# Altium PCB pinban2.PcbDoc (part 4 of 5)
Units mm, origin at the board's own origin, x right, y up, seen from the top; angles counter-clockwise.
Board outline 144.36 x 103.75 mm, 2 copper layers (Top Layer, Bottom Layer); 186 components, 0 nets, 548 pads, 74 vias.
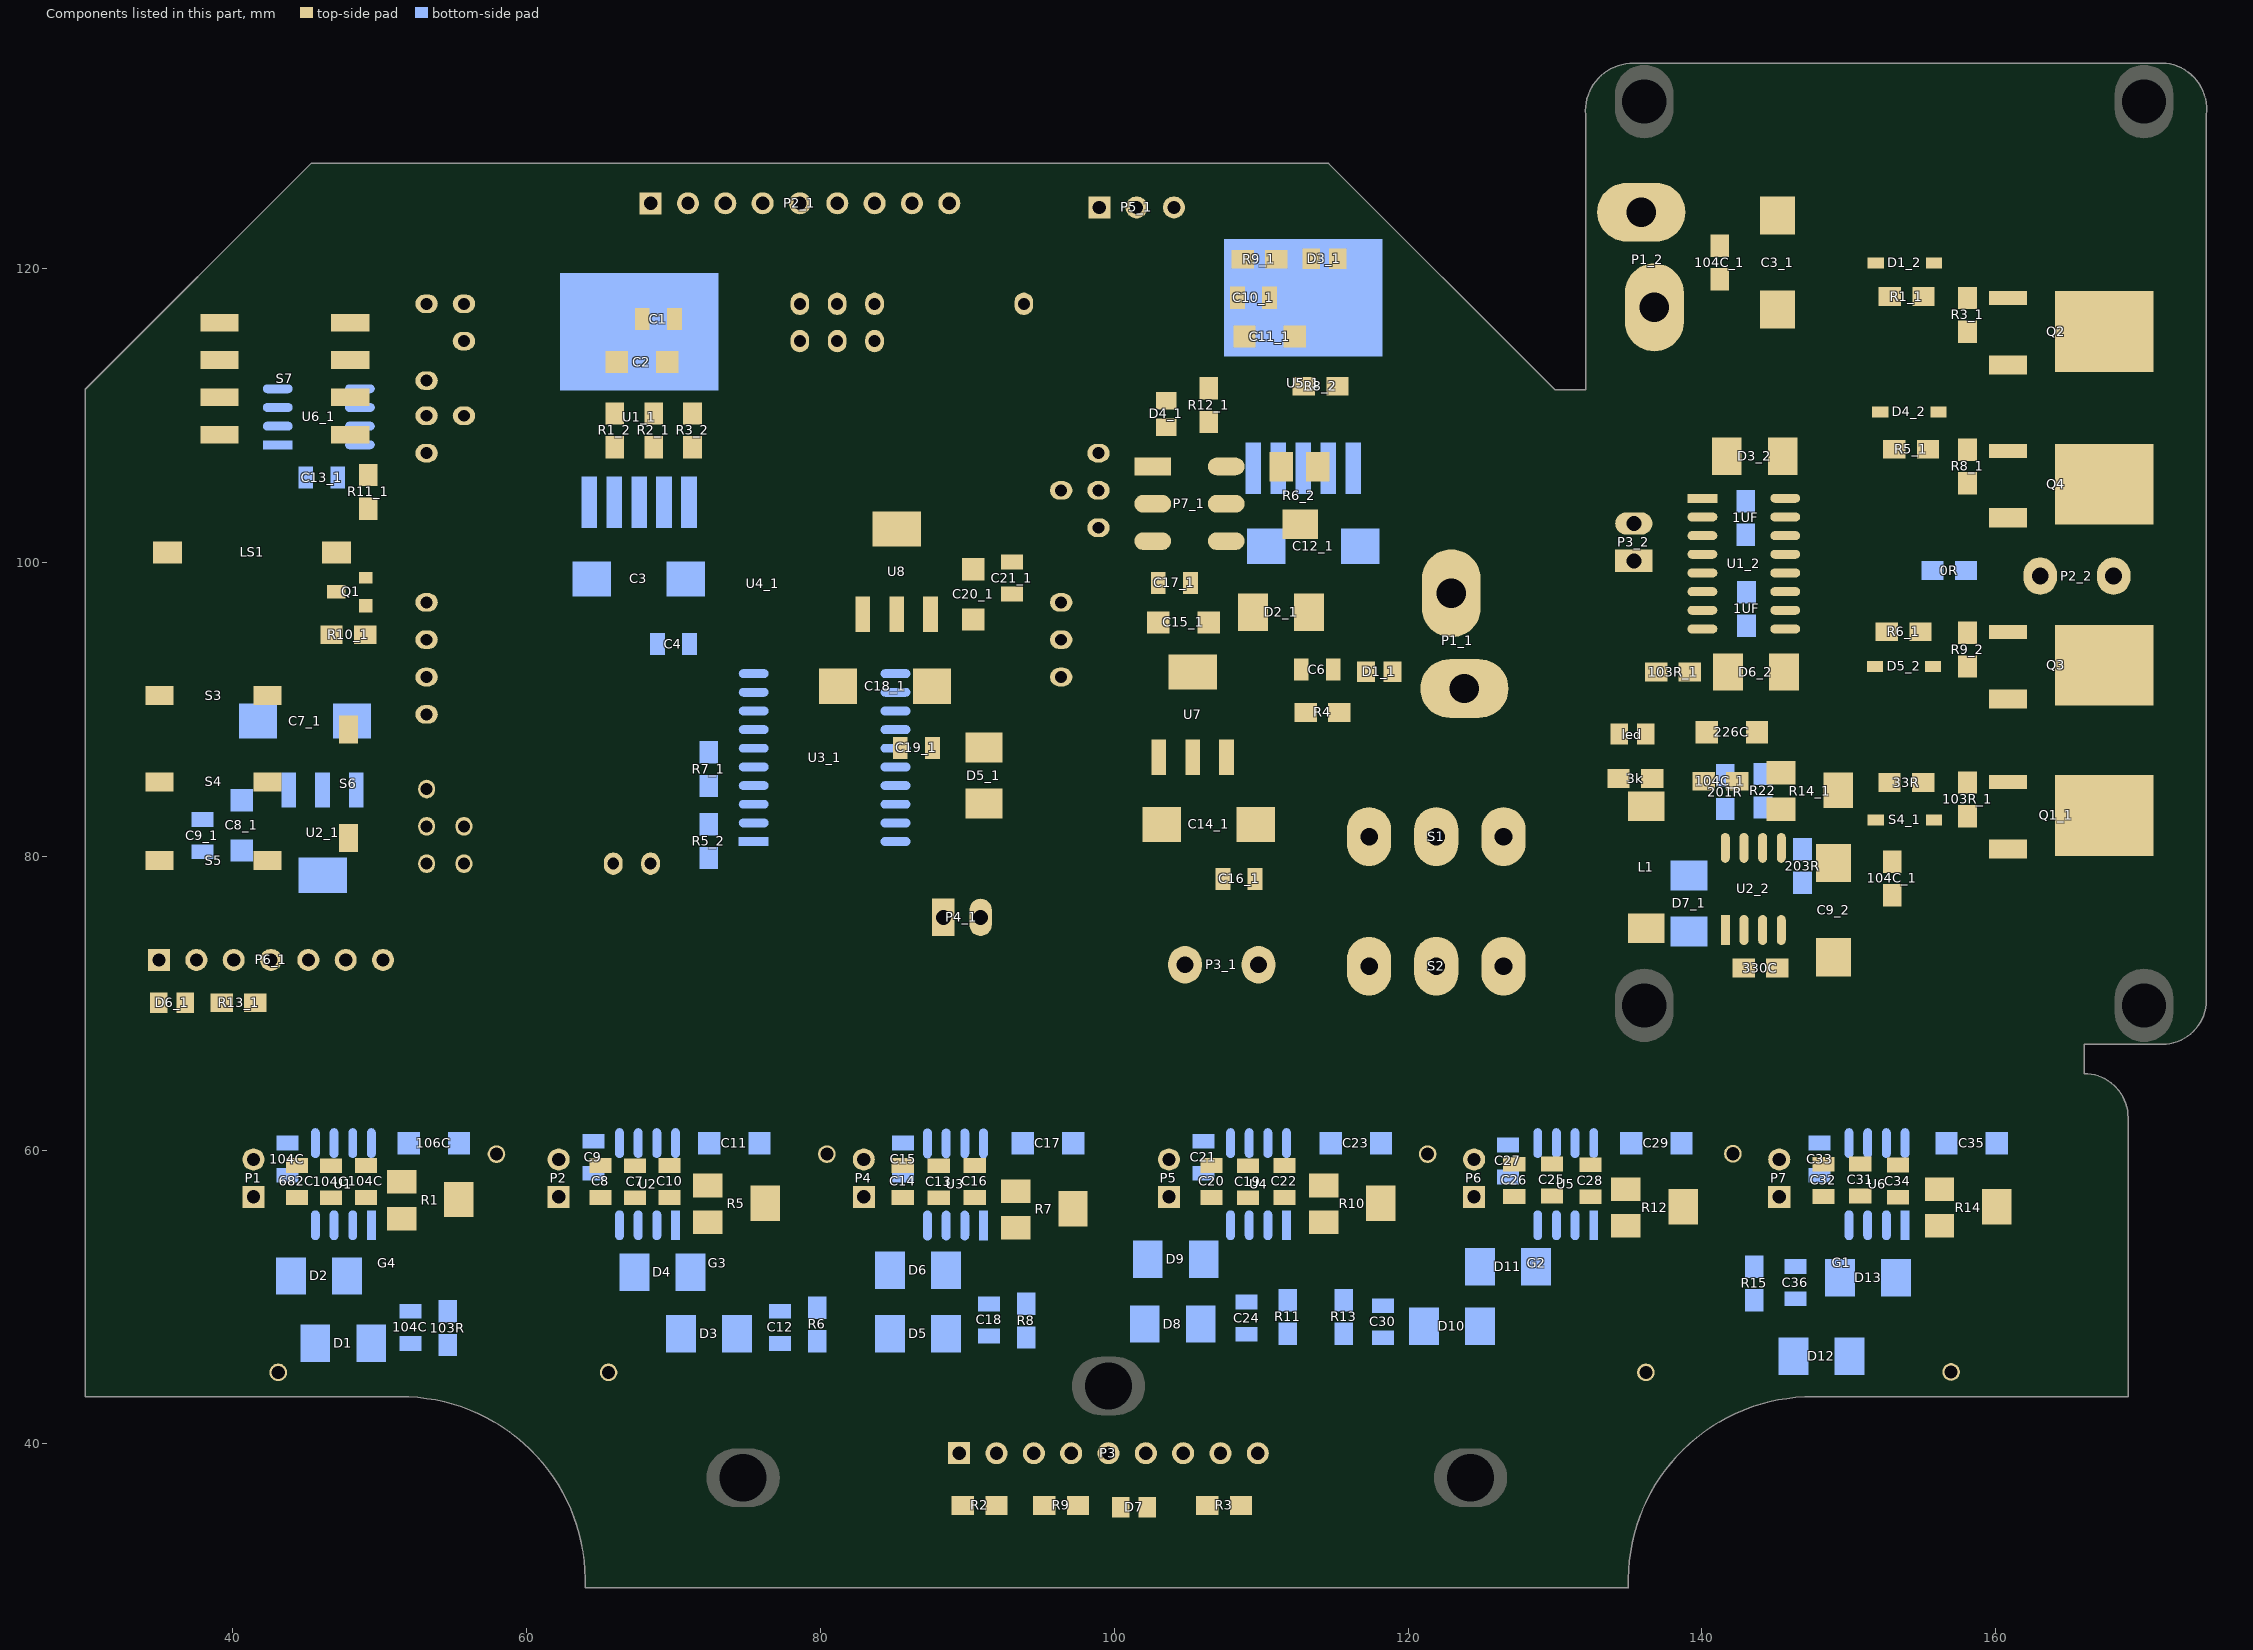
[diagram p4: the components of this part, seen from the top]

## Via types
v1: diameter 0.508, hole 0.381, Top Layer to Bottom Layer, 70 vias
v2: diameter 0.762, hole 0.508, Top Layer to Bottom Layer, 4 vias

## Nets (pads, with @x,y where several pads share a name; then routed paths per layer and width w, separated by ;. In a path a pad name is that pad's centre, name@x,y a point inside that pad or via, vN(x,y) a via of type N, cw(c..) or ccw(c..) an arc to the next point about the centre after c; other vN are vias at no path point) (continued)
copper on no net: (continued)
  Top Layer w0.025: 160.637,129.899 161.678,129.899 ; 160.637,129.925 161.754,129.925 ; 160.637,129.95 161.805,129.95 ; 160.637,129.975 161.856,129.975 ; 160.637,130.001 161.881,130.001 ; 160.637,130.026 161.957,130.026 ; 160.637,130.052 162.008,130.052 ; 160.637,130.077 162.059,130.077 ; 160.637,130.102 162.084,130.102 ; 160.637,130.128 162.161,130.128 ; 160.637,130.153 162.186,130.153 ; 160.637,130.179 162.262,130.179 ; 160.637,130.204 162.288,130.204 ; 160.637,130.229 162.364,130.229 ; 160.637,130.255 162.389,130.255 ; 160.637,130.28 162.465,130.28 ; 160.637,130.306 162.516,130.306 ; 160.637,130.331 162.542,130.331 ; 160.637,131.22 160.687,131.22 ; 160.637,131.245 160.687,131.245 ; 160.637,131.271 160.687,131.271 ; 160.637,131.296 160.687,131.296 ; 160.637,132.388 160.865,132.388 ; 160.662,127.613 160.916,127.613 ; 160.662,128.401 160.764,128.401 ; 160.662,128.553 160.687,128.553 ; 160.662,129.544 161.018,129.544 ; 160.662,129.569 161.068,129.569 ; 160.662,129.594 161.094,129.594 ; 160.662,129.62 161.145,129.62 ; 160.662,129.645 161.221,129.645 ; 160.662,129.671 161.272,129.671 ; 160.662,129.696 161.297,129.696 ; 160.662,130.356 162.44,130.356 ; 160.662,130.382 162.389,130.382 ; 160.662,130.407 162.338,130.407 ; 160.662,130.433 162.288,130.433 ; 160.662,130.458 161.043,130.458 ; 160.662,132.414 160.916,132.414 ; 160.687,127.588 160.941,127.588 ; 160.687,128.223 160.814,128.223 ; 160.687,129.442 162.923,129.442 ; 160.687,129.467 162.872,129.467 ; 160.687,129.493 162.846,129.493 ; 160.687,129.518 162.796,129.518 ; 160.687,130.483 161.119,130.483 ; 160.687,130.509 161.17,130.509 ; 160.687,130.534 161.195,130.534 ; 160.687,130.56 161.246,130.56 ; 160.687,130.585 161.297,130.585 ; 160.687,132.439 160.941,132.439 ; 160.713,128.197 160.738,128.197 ; 160.713,128.426 160.789,128.426 ; 160.713,129.391 163.024,129.391 ; 160.713,129.417 162.973,129.417 ; 160.713,130.61 161.348,130.61 ; 160.713,130.636 161.399,130.636 ; 160.738,127.562 160.992,127.562 ; 160.738,129.315 163.1,129.315 ; 160.738,129.34 163.075,129.34 ; 160.738,129.366 163.024,129.366 ; 160.738,130.661 161.449,130.661 ; 160.738,130.687 161.5,130.687 ; 160.738,130.712 161.551,130.712 ; 160.738,130.737 161.576,130.737 ; 160.738,132.465 160.992,132.465 ; 160.764,127.537 161.018,127.537 ; 160.764,128.197 160.84,128.197 ; 160.764,129.239 163.177,129.239 ; 160.764,129.264 163.151,129.264 ; 160.764,129.29 163.151,129.29 ; 160.764,130.763 161.653,130.763 ; 160.764,130.788 161.703,130.788 ; 160.764,132.49 161.018,132.49 ; 160.789,127.512 161.043,127.512 ; 160.789,128.248 160.865,128.248 ; 160.789,129.188 163.253,129.188 ; 160.789,129.213 163.227,129.213 ; 160.789,130.814 161.754,130.814 ; 160.789,130.839 161.78,130.839 ; 160.789,132.515 161.043,132.515 ; 160.814,127.486 161.094,127.486 ; 160.814,128.096 160.865,128.096 ; 160.814,128.121 160.865,128.121 ; 160.814,128.147 160.891,128.147 ; 160.814,128.172 160.891,128.172 ; 160.814,128.274 160.941,128.274 ; 160.814,129.137 163.278,129.137 ; 160.814,129.163 163.253,129.163 ; 160.814,130.864 161.856,130.864 ; 160.814,130.89 161.881,130.89 ; 160.814,132.541 161.094,132.541 ; 160.84,129.061 163.354,129.061 ; 160.84,129.086 163.329,129.086 ; 160.84,129.112 163.304,129.112 ; 160.84,130.915 161.957,130.915 ; 160.84,130.941 161.983,130.941 ; 160.84,130.966 162.034,130.966 ; 160.865,127.461 161.145,127.461 ; 160.865,128.197 160.916,128.197 ; 160.865,128.223 160.916,128.223 ; 160.865,128.299 160.916,128.299 ; 160.865,128.959 160.891,128.959 ; 160.865,129.036 163.354,129.036 ; 160.865,130.991 162.084,130.991 ; 160.865,131.017 162.161,131.017 ; 160.865,132.566 161.145,132.566 ; 160.865,132.592 161.145,132.592 ; 160.891,128.248 160.941,128.248 ; 160.891,128.934 163.456,128.934 ; 160.891,129.01 163.38,129.01 ; 160.891,131.042 162.186,131.042 ; 160.916,127.41 161.221,127.41 ; 160.916,127.435 161.17,127.435 ; 160.916,127.994 160.967,127.994 ; 160.916,128.959 163.431,128.959 ; 160.916,128.985 163.431,128.985 ; 160.916,131.068 162.237,131.068 ; 160.916,131.093 162.288,131.093 ; 160.916,132.033 161.068,132.033 ; 160.916,132.058 160.941,132.058 ; 160.916,132.109 160.941,132.109 ; 160.916,132.617 161.221,132.617 ; 160.941,128.02 160.992,128.02 ; 160.941,128.045 161.018,128.045 ; 160.941,128.909 163.456,128.909 ; 160.941,131.118 162.364,131.118 ; 160.941,131.144 162.389,131.144 ; 160.941,131.982 161.246,131.982 ; 160.941,132.007 160.992,132.007 ; 160.941,132.134 161.043,132.134 ; 160.941,132.16 161.043,132.16 ; 160.967,127.385 161.246,127.385 ; 160.967,128.07 161.094,128.07 ; 160.967,128.858 163.481,128.858 ; 160.967,128.883 163.481,128.883 ; 160.967,131.169 162.44,131.169 ; 160.967,131.957 161.145,131.957 ; 160.967,132.058 161.068,132.058 ; 160.967,132.642 161.246,132.642 ; 160.992,128.832 163.507,128.832 ; 160.992,131.195 162.491,131.195 ; 160.992,131.931 161.145,131.931 ; 160.992,132.084 161.068,132.084 ; 160.992,132.109 161.043,132.109 ; 161.018,127.359 161.322,127.359 ; 161.018,127.918 161.119,127.918 ; 161.018,127.943 161.119,127.943 ; 161.018,128.096 161.119,128.096 ; 161.018,128.121 161.119,128.121 ; 161.018,128.782 163.558,128.782 ; 161.018,128.807 163.532,128.807 ; 161.018,131.22 162.567,131.22 ; 161.018,131.245 162.567,131.245 ; 161.018,132.668 161.322,132.668 ; 161.043,127.334 161.373,127.334 ; 161.043,127.893 161.094,127.893 ; 161.043,127.969 161.068,127.969 ; 161.043,127.994 161.068,127.994 ; 161.043,128.02 161.094,128.02 ; 161.043,128.045 161.094,128.045 ; 161.043,128.147 161.068,128.147 ; 161.043,128.756 163.558,128.756 ; 161.043,131.271 162.643,131.271 ; 161.043,131.322 161.068,131.322 ; 161.043,131.83 161.221,131.83 ; 161.043,131.855 161.145,131.855 ; 161.043,131.88 161.094,131.88 ; 161.043,131.906 161.119,131.906 ; 161.043,132.007 161.094,132.007 ; 161.043,132.693 161.348,132.693 ; 161.068,127.308 161.399,127.308 ; 161.068,128.705 163.583,128.705 ; 161.068,128.731 163.583,128.731 ; 161.068,129.544 162.745,129.544 ; 161.068,130.458 162.237,130.458 ; 161.068,131.296 162.694,131.296 ; 161.068,131.804 161.17,131.804 ; 161.068,132.719 161.399,132.719 ; 161.094,127.969 161.145,127.969 ; 161.094,131.322 162.745,131.322 ; 161.094,131.347 162.77,131.347 ; 161.119,127.283 161.449,127.283 ; 161.119,127.994 161.17,127.994 ; 161.119,128.655 163.608,128.655 ; 161.119,128.68 163.608,128.68 ; 161.119,131.372 162.846,131.372 ; 161.119,131.88 161.246,131.88 ; 161.119,132.744 161.449,132.744 ; 161.145,128.02 161.221,128.02 ; 161.145,128.045 161.221,128.045 ; 161.145,128.629 163.634,128.629 ; 161.145,129.569 162.669,129.569 ; 161.145,131.398 162.897,131.398 ; 161.145,131.906 161.246,131.906 ; 161.17,127.258 161.526,127.258 ; 161.17,128.604 163.634,128.604 ; 161.17,130.483 162.161,130.483 ; 161.17,131.423 163.786,131.423 ; 161.17,131.449 163.812,131.449 ; 161.17,131.855 161.221,131.855 ; 161.17,131.931 161.246,131.931 ; 161.17,131.957 161.246,131.957 ; 161.17,132.007 161.246,132.007 ; 161.17,132.769 161.526,132.769 ; 161.195,127.791 161.246,127.791 ; 161.195,127.816 161.246,127.816 ; 161.195,127.842 161.246,127.842 ; 161.195,127.867 161.246,127.867 ; 161.195,128.578 163.659,128.578 ; 161.195,132.795 161.551,132.795 ; 161.221,127.232 161.576,127.232 ; 161.221,127.766 161.272,127.766 ; 161.221,127.893 161.272,127.893 ; 161.221,128.553 163.659,128.553 ; 161.221,129.594 162.643,129.594 ; 161.221,131.474 163.888,131.474 ; 161.221,131.499 164.269,131.499 ; 161.246,127.207 161.627,127.207 ; 161.246,127.918 161.373,127.918 ; 161.246,127.943 161.373,127.943 ; 161.246,128.502 162.364,128.502 ; 161.246,128.528 162.338,128.528 ; 161.246,132.82 161.627,132.82 ; 161.272,127.74 161.348,127.74 ; 161.272,128.451 161.297,128.451 ; 161.272,131.525 164.243,131.525 ; 161.272,131.55 164.218,131.55 ; 161.297,127.181 161.678,127.181 ; 161.297,127.715 161.348,127.715 ; 161.297,127.816 161.348,127.816 ; 161.297,128.477 162.364,128.477 ; 161.322,127.766 161.373,127.766 ; 161.322,127.791 161.373,127.791 ; 161.322,128.451 162.364,128.451 ; 161.322,130.509 162.059,130.509 ; 161.322,131.576 164.193,131.576 ; 161.322,132.846 161.678,132.846 ; 161.348,128.426 162.364,128.426 ; 161.348,129.62 162.542,129.62 ; 161.348,131.601 164.167,131.601 ; 161.373,127.156 161.754,127.156 ; 161.373,127.867 161.424,127.867 ; 161.373,127.893 161.424,127.893 ; 161.373,128.401 162.364,128.401 ; 161.373,131.626 164.142,131.626 ; 161.373,132.871 161.78,132.871 ; 161.399,127.842 161.424,127.842 ; 161.399,130.534 161.983,130.534 ; 161.399,131.652 164.091,131.652 ; 161.399,132.896 161.83,132.896 ; 161.424,127.131 161.856,127.131 ; 161.424,128.35 162.364,128.35 ; 161.424,128.375 162.364,128.375 ; 161.424,131.677 164.066,131.677 ; 161.449,127.105 161.907,127.105 ; 161.449,131.703 164.04,131.703 ; 161.449,132.922 161.907,132.922 ; 161.475,128.324 162.364,128.324 ; 161.475,129.645 162.44,129.645 ; 161.5,131.728 163.989,131.728 ; 161.526,127.08 162.008,127.08 ; 161.526,128.299 162.338,128.299 ; 161.526,131.753 163.989,131.753 ; 161.526,132.947 162.034,132.947 ; 161.551,128.248 163.939,128.248 ; 161.551,128.274 163.964,128.274 ; 161.576,127.054 162.135,127.054 ; 161.576,127.562 161.627,127.562 ; 161.576,127.588 161.627,127.588 ; 161.576,127.613 161.653,127.613 ; 161.576,131.779 163.939,131.779 ; 161.602,127.639 161.78,127.639 ; 161.602,132.973 162.135,132.973 ; 161.627,127.664 161.678,127.664 ; 161.627,127.689 161.678,127.689 ; 161.627,127.715 161.678,127.715 ; 161.627,128.223 163.888,128.223 ; 161.627,131.804 163.888,131.804 ; 161.627,132.998 162.237,132.998 ; 161.653,127.74 161.678,127.74 ; 161.653,127.766 161.678,127.766 ; 161.653,128.197 163.837,128.197 ; 161.653,131.83 163.837,131.83 ; 161.678,127.029 162.288,127.029 ; 161.678,127.512 161.754,127.512 ; 161.678,127.537 161.754,127.537 ; 161.678,127.613 161.78,127.613 ; 161.678,129.671 162.288,129.671 ; 161.678,131.855 163.812,131.855 ; 161.703,127.004 162.415,127.004 ; 161.703,127.562 161.754,127.562 ; 161.703,128.172 163.786,128.172 ; 161.729,127.588 161.78,127.588 ; 161.729,128.147 163.761,128.147 ; 161.729,131.88 163.761,131.88 ; 161.729,133.023 162.415,133.023 ; 161.754,127.664 161.805,127.664 ; 161.78,127.689 161.83,127.689 ; 161.78,128.121 163.71,128.121 ; 161.78,131.906 163.71,131.906 ; 161.805,126.978 163.71,126.978 ; 161.805,133.049 163.71,133.049 ; 161.83,127.461 161.881,127.461 ; 161.83,129.696 162.161,129.696 ; 161.856,127.486 162.034,127.486 ; 161.856,127.512 161.932,127.512 ; 161.856,128.096 163.659,128.096 ; 161.856,131.931 163.659,131.931 ; 161.856,132.312 161.907,132.312 ; 161.856,132.338 161.932,132.338 ; 161.881,126.953 163.608,126.953 ; 161.881,127.537 161.932,127.537 ; 161.881,131.957 163.634,131.957 ; 161.881,132.363 162.11,132.363 ; 161.881,133.074 163.608,133.074 ; 161.907,127.562 161.957,127.562 ; 161.907,128.07 163.583,128.07 ; 161.932,127.588 162.034,127.588 ; 161.932,132.388 162.084,132.388 ; 161.932,132.414 162.084,132.414 ; 161.932,132.465 162.084,132.465 ; 161.932,132.49 161.983,132.49 ; 161.932,132.515 162.237,132.515 ; 161.932,132.541 162.059,132.541 ; 161.932,132.566 162.059,132.566 ; 161.932,132.592 162.059,132.592 ; 161.932,132.668 162.034,132.668 ; 161.932,132.693 162.034,132.693 ; 161.957,127.461 162.034,127.461 ; 161.957,127.613 162.034,127.613 ; 161.957,127.639 162.008,127.639 ; 161.957,131.982 163.558,131.982 ; 161.957,132.338 162.034,132.338 ; 161.957,132.439 162.059,132.439 ; 161.957,132.617 162.008,132.617 ; 161.957,132.642 162.034,132.642 ; 161.957,133.1 163.558,133.1 ; 161.983,127.41 162.034,127.41 ; 161.983,127.435 162.034,127.435 ; 161.983,127.512 162.034,127.512 ; 161.983,127.537 162.034,127.537 ; 161.983,127.562 162.034,127.562 ; 161.983,128.045 163.532,128.045 ; 161.983,132.287 162.034,132.287 ; 161.983,132.312 162.135,132.312 ; 162.008,126.927 163.507,126.927 ; 162.008,132.49 162.084,132.49 ; 162.034,128.02 163.456,128.02 ; 162.034,132.007 163.481,132.007 ; 162.059,132.287 162.135,132.287 ; 162.059,132.338 162.11,132.338 ; 162.084,126.902 163.431,126.902 ; 162.084,132.541 162.237,132.541 ; 162.084,132.668 162.211,132.668 ; 162.084,132.693 162.211,132.693 ; 162.084,133.125 163.431,133.125 ; 162.11,127.994 163.405,127.994 ; 162.11,132.033 163.38,132.033 ; 162.135,127.385 162.161,127.385 ; 162.135,127.41 162.161,127.41 ; 162.135,127.435 162.186,127.435 ; 162.135,127.461 162.186,127.461 ; 162.135,127.486 162.186,127.486 ; 162.135,132.414 162.186,132.414 ; 162.135,132.439 162.262,132.439 ; 162.135,132.566 162.237,132.566 ; 162.161,127.512 162.186,127.512 ; 162.161,127.537 162.237,127.537 ; 162.161,127.562 162.237,127.562 ; 162.161,132.058 163.354,132.058 ; 162.161,132.465 162.237,132.465 ; 162.161,132.49 162.237,132.49 ; 162.161,132.592 162.237,132.592 ; 162.161,132.719 162.186,132.719 ; 162.186,132.617 162.262,132.617 ; 162.211,127.486 162.262,127.486 ; 162.211,127.512 162.262,127.512 ; 162.211,127.969 163.304,127.969 ; 162.237,126.877 163.278,126.877 ; 162.237,127.359 162.338,127.359 ; 162.237,127.385 162.338,127.385 ; 162.237,127.41 162.262,127.41 ; 162.237,127.435 162.262,127.435 ; 162.237,127.461 162.262,127.461 ; 162.237,132.388 162.389,132.388 ; 162.237,132.414 162.262,132.414 ; 162.237,133.15 163.278,133.15 ; 162.262,132.084 163.227,132.084 ; 162.262,132.363 162.338,132.363 ; 162.288,127.41 162.338,127.41 ; 162.288,127.435 162.338,127.435 ; 162.288,127.461 162.338,127.461 ; 162.288,127.486 162.338,127.486 ; 162.313,127.512 162.364,127.512 ; 162.313,127.537 162.364,127.537 ; 162.313,127.943 163.151,127.943 ; 162.338,132.414 162.415,132.414 ; 162.338,132.439 162.389,132.439 ; 162.415,126.851 163.075,126.851 ; 162.415,127.918 163.075,127.918 ; 162.415,128.35 162.643,128.35 ; 162.415,132.109 163.075,132.109 ; 162.44,127.359 162.491,127.359 ; 162.44,127.385 162.491,127.385 ; 162.44,127.41 162.491,127.41 ; 162.44,127.435 162.465,127.435 ; 162.44,127.461 162.491,127.461 ; 162.44,127.486 162.491,127.486 ; 162.44,128.324 162.592,128.324 ; 162.44,128.375 162.643,128.375 ; 162.44,128.401 162.592,128.401 ; 162.44,128.426 162.542,128.426 ; 162.44,128.451 162.542,128.451 ; 162.44,128.477 162.542,128.477 ; 162.44,128.502 162.542,128.502 ; 162.44,128.528 162.567,128.528 ; 162.465,127.334 162.643,127.334 ; 162.465,127.512 162.618,127.512 ; 162.465,128.299 162.542,128.299 ; 162.465,133.176 163.05,133.176 ; 162.491,127.308 162.618,127.308 ; 162.491,127.537 162.592,127.537 ; 162.491,130.356 162.592,130.356 ; 162.542,127.41 162.643,127.41 ; 162.542,127.435 162.567,127.435 ; 162.542,130.382 162.669,130.382 ; 162.567,127.385 162.643,127.385 ; 162.592,127.359 162.643,127.359 ; 162.592,127.486 162.643,127.486 ; 162.592,128.299 162.796,128.299 ; 162.592,128.451 162.669,128.451 ; 162.592,128.477 162.669,128.477 ; 162.592,128.502 162.669,128.502 ; 162.592,128.528 162.643,128.528 ; 162.592,130.407 162.719,130.407 ; 162.618,130.433 162.745,130.433 ; 162.643,128.401 162.669,128.401 ; 162.643,128.426 162.669,128.426 ; 162.669,128.324 162.872,128.324 ; 162.669,130.458 162.796,130.458 ; 162.694,128.35 162.897,128.35 ; 162.694,128.375 162.897,128.375 ; 162.694,128.528 162.846,128.528 ; 162.719,128.401 162.897,128.401 ; 162.719,128.451 162.796,128.451 ; 162.719,128.502 162.821,128.502 ; 162.745,127.308 162.796,127.308 ; 162.745,127.334 162.796,127.334 ; 162.745,127.359 162.796,127.359 ; 162.745,127.385 162.872,127.385 ; 162.745,127.41 162.846,127.41 ; 162.745,127.435 162.846,127.435 ; 162.745,127.461 162.872,127.461 ; 162.745,127.486 162.796,127.486 ; 162.745,127.512 162.796,127.512 ; 162.745,128.426 162.897,128.426 ; 162.745,128.477 162.796,128.477 ; 162.745,130.483 162.872,130.483 ; 162.745,133.201 162.77,133.201 ; 162.796,130.509 162.923,130.509 ; 162.821,128.451 162.846,128.451 ; 162.821,130.534 162.948,130.534 ; 162.846,127.334 162.897,127.334 ; 162.846,127.359 162.897,127.359 ; 162.846,127.486 162.872,127.486 ; 162.846,127.512 162.897,127.512 ; 162.846,128.477 163.151,128.477 ; 162.846,128.502 162.872,128.502 ; 162.872,127.308 162.923,127.308 ; 162.872,128.299 163.075,128.299 ; 162.872,130.56 162.999,130.56 ; 162.897,128.502 163.126,128.502 ; 162.923,131.271 163.456,131.271 ; 162.923,131.296 163.532,131.296 ; 162.923,131.322 163.583,131.322 ; 162.923,131.347 163.634,131.347 ; 162.923,131.372 163.685,131.372 ; 162.923,131.398 163.735,131.398 ; 162.948,128.324 163.024,128.324 ; 162.948,128.451 163.151,128.451 ; 162.948,130.585 163.05,130.585 ; 162.948,130.61 163.126,130.61 ; 162.948,130.636 163.151,130.636 ; 162.948,130.661 163.202,130.661 ; 162.948,130.687 163.253,130.687 ; 162.948,130.712 163.126,130.712 ; 162.948,130.737 163.05,130.737 ; 162.948,130.763 163.024,130.763 ; 162.948,130.788 162.999,130.788 ; 162.948,130.814 162.999,130.814 ; 162.948,130.839 162.999,130.839 ; 162.948,130.864 162.999,130.864 ; 162.948,130.89 162.999,130.89 ; 162.948,130.915 162.999,130.915 ; 162.948,130.941 162.999,130.941 ; 162.948,130.966 162.999,130.966 ; 162.948,130.991 163.024,130.991 ; 162.948,131.017 163.024,131.017 ; 162.948,131.042 163.024,131.042 ; 162.948,131.068 163.075,131.068 ; 162.948,131.093 163.126,131.093 ; 162.948,131.118 163.177,131.118 ; 162.948,131.144 163.227,131.144 ; 162.948,131.169 163.278,131.169 ; 162.948,131.195 163.329,131.195 ; 162.948,131.22 163.38,131.22 ; 162.948,131.245 163.431,131.245 ; 162.973,128.35 163.05,128.35 ; 162.973,128.375 163.075,128.375 ; 162.973,128.401 163.126,128.401 ; 162.973,128.426 163.126,128.426 ; 162.973,128.528 163.05,128.528 ; 162.999,127.41 163.05,127.41 ; 162.999,127.435 163.05,127.435 ; 162.999,127.461 163.05,127.461 ; 163.024,127.359 163.177,127.359 ; 163.024,127.385 163.075,127.385 ; 163.024,127.486 163.05,127.486 ; 163.024,127.512 163.177,127.512 ; 163.05,127.537 163.177,127.537 ; 163.075,127.334 163.151,127.334 ; 163.075,128.324 163.126,128.324 ; 163.075,133.023 163.786,133.023 ; 163.1,127.004 163.786,127.004 ; 163.1,127.918 163.126,127.918 ; 163.1,128.299 163.151,128.299 ; 163.1,128.35 163.177,128.35 ; 163.126,128.375 164.091,128.375 ; 163.151,127.385 163.202,127.385 ; 163.151,127.41 163.227,127.41 ; 163.151,127.435 163.227,127.435 ; 163.151,127.461 163.227,127.461 ; 163.151,127.486 163.202,127.486 ; 163.151,128.401 164.167,128.401 ; 163.177,128.426 164.167,128.426 ; 163.177,128.528 163.685,128.528 ; 163.177,130.712 163.329,130.712 ; 163.202,127.029 163.837,127.029 ; 163.202,128.299 163.989,128.299 ; 163.202,128.451 164.193,128.451 ; 163.202,128.477 164.218,128.477 ; 163.202,128.502 164.243,128.502 ; 163.227,127.918 163.253,127.918 ; 163.227,128.324 164.04,128.324 ; 163.227,128.35 164.091,128.35 ; 163.227,130.737 163.354,130.737 ; 163.227,132.566 163.304,132.566 ; 163.227,132.592 163.304,132.592 ; 163.253,132.541 163.278,132.541 ; 163.253,132.617 163.329,132.617 ; 163.278,127.537 163.405,127.537 ; 163.278,127.562 163.38,127.562 ; 163.278,130.763 163.405,130.763 ; 163.278,132.312 163.481,132.312 ; 163.278,132.642 163.558,132.642 ; 163.278,132.998 163.862,132.998 ; 163.304,127.486 163.354,127.486 ; 163.304,127.512 163.431,127.512 ; 163.304,132.287 163.354,132.287 ; 163.329,127.385 163.38,127.385 ; 163.329,127.41 163.38,127.41 ; 163.329,127.435 163.354,127.435 ; 163.329,127.461 163.354,127.461 ; 163.329,127.588 163.354,127.588 ; 163.329,130.788 163.456,130.788 ; 163.329,132.338 163.431,132.338 ; 163.354,132.414 163.456,132.414 ; 163.354,132.49 163.38,132.49 ; 163.354,132.515 163.405,132.515 ; 163.354,132.541 163.405,132.541 ; 163.354,132.973 163.913,132.973 ; 163.38,127.054 163.913,127.054 ; 163.38,127.486 163.532,127.486 ; 163.38,130.814 163.532,130.814 ; 163.38,132.363 163.456,132.363 ; 163.38,132.388 163.456,132.388 ; 163.38,132.439 163.431,132.439 ; 163.38,132.566 163.405,132.566 ; 163.38,132.592 163.405,132.592 ; 163.405,132.287 163.456,132.287 ; 163.431,127.435 163.532,127.435 ; 163.431,127.461 163.456,127.461 ; 163.431,130.839 163.558,130.839 ; 163.431,132.465 163.507,132.465 ; 163.456,127.41 163.532,127.41 ; 163.456,127.512 163.507,127.512 ; 163.456,127.537 163.507,127.537 ; 163.456,127.562 163.481,127.562 ; 163.456,127.588 163.481,127.588 ; 163.456,127.613 163.481,127.613 ; 163.456,132.49 163.532,132.49 ; 163.456,132.515 163.507,132.515 ; 163.456,132.541 163.507,132.541 ; 163.456,132.617 163.507,132.617 ; 163.456,132.668 163.532,132.668 ; 163.456,132.693 163.532,132.693 ; 163.456,132.719 163.507,132.719 ; 163.481,127.08 163.989,127.08 ; 163.481,127.461 163.532,127.461 ; 163.481,130.864 163.608,130.864 ; 163.481,132.566 163.532,132.566 ; 163.481,132.592 163.659,132.592 ; 163.481,132.947 163.964,132.947 ; 163.532,130.89 163.685,130.89 ; 163.532,132.617 163.634,132.617 ; 163.583,127.105 164.04,127.105 ; 163.583,127.512 163.659,127.512 ; 163.583,127.537 163.659,127.537 ; 163.583,127.562 163.634,127.562 ; 163.583,127.588 163.634,127.588 ; 163.583,127.613 163.634,127.613 ; 163.583,127.639 163.634,127.639 ; 163.583,130.915 163.685,130.915 ; 163.583,132.566 163.659,132.566 ; 163.583,132.922 164.04,132.922 ; 163.608,127.664 163.761,127.664 ; 163.634,127.486 163.761,127.486 ; 163.634,130.407 163.685,130.407 ; 163.634,130.458 163.685,130.458 ; 163.634,130.483 163.685,130.483 ; 163.634,130.509 163.685,130.509 ; 163.634,130.534 163.685,130.534 ; 163.634,130.56 163.685,130.56 ; 163.634,130.585 163.685,130.585 ; 163.634,130.61 163.685,130.61 ; 163.634,130.636 163.685,130.636 ; 163.634,130.661 163.685,130.661 ; 163.634,130.687 163.685,130.687 ; 163.634,130.712 163.685,130.712 ; 163.634,130.737 163.685,130.737 ; 163.634,130.763 163.685,130.763 ; 163.634,130.788 163.685,130.788 ; 163.634,130.814 163.685,130.814 ; 163.634,130.839 163.685,130.839 ; 163.634,130.864 163.685,130.864 ; 163.634,130.941 163.685,130.941 ; 163.659,127.131 164.066,127.131 ; 163.659,127.689 163.735,127.689 ; 163.659,129.544 164.828,129.544 ; 163.659,129.569 164.828,129.569 ; 163.659,129.594 164.828,129.594 ; 163.659,129.62 164.853,129.62 ; 163.659,129.645 164.853,129.645 ; 163.659,129.671 164.853,129.671 ; 163.659,129.696 164.853,129.696 ; 163.659,129.721 164.853,129.721 ; 163.659,129.747 164.878,129.747 ; 163.659,129.772 164.878,129.772 ; 163.659,129.798 164.853,129.798 ; 163.659,129.823 164.878,129.823 ; 163.659,129.848 164.878,129.848 ; 163.659,129.874 164.878,129.874 ; 163.659,129.899 164.878,129.899 ; 163.659,129.925 164.878,129.925 ; 163.659,129.95 164.878,129.95 ; 163.659,129.975 164.878,129.975 ; 163.659,130.001 164.878,130.001 ; 163.659,130.026 164.878,130.026 ; 163.659,130.052 163.939,130.052 ; 163.659,130.077 163.913,130.077 ; 163.659,130.102 163.888,130.102 ; 163.659,130.128 163.888,130.128 ; 163.659,130.153 163.862,130.153 ; 163.659,130.179 163.862,130.179 ; 163.659,130.204 163.837,130.204 ; 163.659,130.229 163.812,130.229 ; 163.659,130.255 163.786,130.255 ; 163.659,130.28 163.786,130.28 ; 163.659,130.306 163.761,130.306 ; 163.659,130.331 163.761,130.331 ; 163.659,130.356 163.735,130.356 ; 163.659,130.382 163.71,130.382 ; 163.659,130.433 163.685,130.433 ; 163.685,127.588 163.786,127.588 ; 163.685,128.553 164.294,128.553 ; 163.685,128.629 164.37,128.629 ; 163.685,128.655 164.396,128.655 ; 163.685,128.68 164.396,128.68 ; 163.685,128.705 164.421,128.705 ; 163.685,128.731 164.447,128.731 ; 163.685,128.756 164.472,128.756 ; 163.685,128.782 164.472,128.782 ; 163.685,128.807 164.497,128.807 ; 163.685,128.832 164.523,128.832 ; 163.685,128.858 164.548,128.858 ; 163.685,128.883 164.548,128.883 ; 163.685,128.909 164.574,128.909 ; 163.685,128.934 164.574,128.934 ; 163.685,128.959 164.599,128.959 ; 163.685,128.985 164.599,128.985 ; 163.685,129.01 164.624,129.01 ; 163.685,129.036 164.65,129.036 ; 163.685,129.061 164.65,129.061 ; 163.685,129.086 164.675,129.086 ; 163.685,129.112 164.675,129.112 ; 163.685,129.137 164.675,129.137 ; 163.685,129.163 164.701,129.163 ; 163.685,129.188 164.701,129.188 ; 163.685,129.213 164.701,129.213 ; 163.685,129.239 164.726,129.239 ; 163.685,129.264 164.751,129.264 ; 163.685,129.29 164.751,129.29 ; 163.685,129.315 164.777,129.315 ; 163.685,129.34 164.777,129.34 ; 163.685,129.366 164.777,129.366 ; 163.685,129.391 164.777,129.391 ; 163.685,129.417 164.777,129.417 ; 163.685,129.442 164.802,129.442 ; 163.685,129.467 164.802,129.467 ; 163.685,129.493 164.802,129.493 ; 163.685,129.518 164.802,129.518 ; 163.685,132.896 164.091,132.896 ; 163.71,128.528 164.269,128.528 ; 163.71,128.578 164.294,128.578 ; 163.71,128.604 164.345,128.604 ; 163.735,127.156 164.142,127.156 ; 163.735,127.512 163.812,127.512 ; 163.735,127.613 163.761,127.613 ; 163.735,132.871 164.142,132.871 ; 163.761,127.537 163.812,127.537 ; 163.761,127.562 163.786,127.562 ; 163.812,127.181 164.193,127.181 ; 163.812,132.846 164.193,132.846 ; 163.888,127.207 164.243,127.207 ; 163.888,132.82 164.243,132.82 ; 163.913,131.271 164.472,131.271 ; 163.913,131.296 164.447,131.296 ; 163.913,131.322 164.421,131.322 ; 163.913,131.347 164.396,131.347 ; 163.913,131.372 164.396,131.372 ; 163.913,131.398 164.37,131.398 ; 163.913,131.423 164.345,131.423 ; 163.913,131.449 164.32,131.449 ; 163.913,131.474 164.294,131.474 ; 163.939,127.232 164.294,127.232 ; 163.939,130.407 164.853,130.407 ; 163.939,130.433 164.853,130.433 ; 163.939,130.458 164.828,130.458 ; 163.939,130.483 164.828,130.483 ; 163.939,130.509 164.802,130.509 ; 163.939,130.534 164.802,130.534 ; 163.939,130.56 164.802,130.56 ; 163.939,130.585 164.802,130.585 ; 163.939,130.61 164.777,130.61 ; 163.939,130.636 164.777,130.636 ; 163.939,130.661 164.777,130.661 ; 163.939,130.687 164.777,130.687 ; 163.939,130.712 164.751,130.712 ; 163.939,130.737 164.751,130.737 ; 163.939,130.763 164.751,130.763 ; 163.939,130.788 164.726,130.788 ; 163.939,130.814 164.701,130.814 ; 163.939,130.839 164.701,130.839 ; 163.939,130.864 164.701,130.864 ; 163.939,130.89 164.675,130.89 ; 163.939,130.915 164.675,130.915 ; 163.939,130.941 164.675,130.941 ; 163.939,130.966 164.65,130.966 ; 163.939,130.991 164.65,130.991 ; 163.939,131.017 164.624,131.017 ; 163.939,131.042 164.599,131.042 ; 163.939,131.068 164.599,131.068 ; 163.939,131.093 164.574,131.093 ; 163.939,131.118 164.548,131.118 ; 163.939,131.144 164.548,131.144 ; 163.939,131.169 164.548,131.169 ; 163.939,131.195 164.497,131.195 ; 163.939,131.22 164.497,131.22 ; 163.939,131.245 164.472,131.245 ; 163.964,127.816 164.015,127.816 ; 163.964,127.842 164.015,127.842 ; 163.964,130.052 164.878,130.052 ; 163.964,130.077 164.878,130.077 ; 163.964,130.102 164.878,130.102 ; 163.964,130.128 164.878,130.128 ; 163.964,130.153 164.878,130.153 ; 163.964,130.179 164.878,130.179 ; 163.964,130.204 164.878,130.204 ; 163.964,130.229 164.878,130.229 ; 163.964,130.255 164.878,130.255 ; 163.964,130.28 164.853,130.28 ; 163.964,130.306 164.853,130.306 ; 163.964,130.331 164.853,130.331 ; 163.964,130.356 164.853,130.356 ; 163.964,130.382 164.853,130.382 ; 163.964,132.795 164.294,132.795 ; 163.989,127.258 164.345,127.258 ; 163.989,127.766 164.04,127.766 ; 163.989,127.791 164.04,127.791 ; 163.989,132.769 164.345,132.769 ; 164.015,127.715 164.066,127.715 ; 164.015,127.74 164.066,127.74 ; 164.04,127.283 164.396,127.283 ; 164.04,127.689 164.167,127.689 ; 164.066,132.744 164.37,132.744 ; 164.091,127.867 164.167,127.867 ; 164.091,127.893 164.142,127.893 ; 164.116,127.308 164.421,127.308 ; 164.116,127.842 164.167,127.842 ; 164.116,132.719 164.421,132.719 ; 164.142,127.334 164.447,127.334 ; 164.142,127.791 164.193,127.791 ; 164.142,127.816 164.193,127.816 ; 164.167,127.715 164.193,127.715 ; 164.167,127.74 164.193,127.74 ; 164.167,127.766 164.193,127.766 ; 164.167,132.693 164.472,132.693 ; 164.193,127.359 164.497,127.359 ; 164.193,127.969 164.345,127.969 ; 164.193,132.668 164.497,132.668 ; 164.218,127.943 164.269,127.943 ; 164.243,127.385 164.548,127.385 ; 164.243,127.918 164.294,127.918 ; 164.243,127.994 164.269,127.994 ; 164.243,132.642 164.548,132.642 ; 164.269,127.867 164.345,127.867 ; 164.269,127.893 164.32,127.893 ; 164.294,127.41 164.574,127.41 ; 164.294,127.842 164.37,127.842 ; 164.294,127.943 164.472,127.943 ; 164.294,132.617 164.574,132.617 ; 164.32,127.435 164.599,127.435 ; 164.32,127.816 164.37,127.816 ; 164.32,128.07 164.37,128.07 ; 164.32,131.906 164.472,131.906 ; 164.345,127.918 164.472,127.918 ; 164.345,128.02 164.396,128.02 ; 164.345,128.045 164.396,128.045 ; 164.345,131.88 164.447,131.88 ; 164.345,132.033 164.396,132.033 ; 164.345,132.058 164.396,132.058 ; 164.345,132.592 164.624,132.592 ; 164.37,127.461 164.65,127.461 ; 164.37,127.994 164.447,127.994 ; 164.37,132.007 164.447,132.007 ; 164.37,132.566 164.65,132.566 ; 164.396,127.893 164.447,127.893 ; 164.396,127.969 164.447,127.969 ; 164.396,131.931 164.599,131.931 ; 164.396,131.982 164.574,131.982 ; 164.396,132.541 164.675,132.541 ; 164.421,127.486 164.675,127.486 ; 164.447,127.512 164.726,127.512 ; 164.447,128.147 164.497,128.147 ; 164.447,128.172 164.497,128.172 ; 164.447,131.728 164.497,131.728 ; 164.447,131.753 164.497,131.753 ; 164.447,131.779 164.497,131.779 ; 164.447,131.804 164.497,131.804 ; 164.447,131.83 164.472,131.83 ; 164.447,131.855 164.472,131.855 ; 164.447,131.957 164.574,131.957 ; 164.447,132.515 164.701,132.515 ; 164.472,127.537 164.751,127.537 ; 164.472,128.121 164.523,128.121 ; 164.497,128.096 164.548,128.096 ; 164.497,132.49 164.751,132.49 ; 164.523,127.562 164.777,127.562 ; 164.523,128.07 164.574,128.07 ; 164.523,131.906 164.624,131.906 ; 164.523,132.007 164.599,132.007 ; 164.523,132.465 164.777,132.465 ; 164.548,127.588 164.802,127.588 ; 164.548,128.02 164.599,128.02 ; 164.548,128.045 164.599,128.045 ; 164.548,128.248 164.599,128.248 ; 164.548,128.274 164.574,128.274 ; 164.548,131.88 164.624,131.88 ; 164.548,132.033 164.624,132.033 ; 164.548,132.439 164.802,132.439 ; 164.574,128.223 164.675,128.223 ; 164.574,132.058 164.624,132.058 ; 164.574,132.084 164.599,132.084 ; 164.599,127.613 164.853,127.613 ; 164.599,132.414 164.828,132.414 ; 164.624,127.639 164.853,127.639 ; 164.624,128.197 164.777,128.197 ; 164.624,132.388 164.878,132.388 ; 164.65,127.664 164.904,127.664 ; 164.65,128.324 164.701,128.324 ; 164.65,128.35 164.701,128.35 ; 164.65,128.375 164.675,128.375 ; 164.675,127.689 164.929,127.689 ; 164.675,128.299 164.726,128.299 ; 164.675,132.338 164.904,132.338 ; 164.675,132.363 164.904,132.363 ; 164.701,128.172 164.777,128.172 ; 164.701,128.223 164.751,128.223 ; 164.701,128.248 164.751,128.248 ; 164.701,128.274 164.751,128.274 ; 164.726,127.715 164.955,127.715 ; 164.726,128.451 164.802,128.451 ; 164.726,132.312 164.955,132.312 ; 164.751,127.74 164.98,127.74 ; 164.751,128.426 164.853,128.426 ; 164.751,128.477 164.777,128.477 ; 164.751,128.502 164.802,128.502 ; 164.751,132.287 164.98,132.287 ; 164.777,127.766 165.005,127.766 ; 164.777,128.528 164.828,128.528 ; 164.777,132.261 165.005,132.261 ; 164.802,127.791 165.031,127.791 ; 164.802,128.401 164.878,128.401 ; 164.802,128.553 164.828,128.553 ; 164.802,132.236 165.031,132.236 ; 164.828,128.375 164.929,128.375 ; 164.828,128.451 164.878,128.451 ; 164.828,132.211 165.056,132.211 ; 164.853,127.816 165.056,127.816 ; 164.853,127.842 165.082,127.842 ; 164.853,128.35 164.904,128.35 ; 164.853,128.477 164.878,128.477 ; 164.878,127.867 165.107,127.867 ; 164.878,128.324 164.904,128.324 ; 164.878,128.629 165.005,128.629 ; 164.878,128.655 164.929,128.655 ; 164.878,128.68 164.929,128.68 ; 164.878,130.991 164.929,130.991 ; 164.878,131.017 164.904,131.017 ; 164.878,132.16 165.107,132.16 ; 164.878,132.185 165.082,132.185 ; 164.904,127.893 165.107,127.893 ; 164.904,128.401 164.955,128.401 ; 164.904,128.705 164.955,128.705 ; 164.904,128.731 165.005,128.731 ; 164.904,130.966 165.107,130.966 ; 164.904,132.134 165.107,132.134 ; 164.929,128.426 164.98,128.426 ; 164.929,128.604 165.031,128.604 ; 164.929,130.941 165.005,130.941 ; 164.929,131.195 165.209,131.195 ; 164.955,127.918 165.158,127.918 ; 164.955,127.943 165.158,127.943 ; 164.955,128.756 165.005,128.756 ; 164.955,130.915 164.98,130.915 ; 164.955,131.042 165.005,131.042 ; 164.955,131.068 164.98,131.068 ; 164.955,131.22 165.056,131.22 ; 164.955,132.084 165.183,132.084 ; 164.955,132.109 165.158,132.109 ; 164.98,127.969 165.183,127.969 ; 164.98,128.578 165.082,128.578 ; 164.98,128.655 165.005,128.655 ; 164.98,128.68 165.132,128.68 ; 164.98,128.705 165.082,128.705 ; 164.98,130.991 165.082,130.991 ; 164.98,131.017 165.158,131.017 ; 164.98,131.245 165.056,131.245 ; 164.98,132.058 165.183,132.058 ; 165.005,127.994 165.209,127.994 ; 165.005,128.553 165.056,128.553 ; 165.005,128.909 165.056,128.909 ; 165.005,131.093 165.107,131.093 ; 165.005,131.118 165.082,131.118 ; 165.005,132.033 165.209,132.033 ; 165.031,128.02 165.234,128.02 ; 165.031,128.858 165.132,128.858 ; 165.031,128.883 165.158,128.883 ; 165.031,128.934 165.056,128.934 ; 165.031,131.042 165.285,131.042 ; 165.031,132.007 165.234,132.007 ; 165.056,128.045 165.259,128.045 ; 165.056,128.959 165.107,128.959 ; 165.056,128.985 165.107,128.985 ; 165.056,130.941 165.107,130.941 ; 165.056,131.982 165.259,131.982 ; 165.082,128.07 165.259,128.07 ; 165.082,128.096 165.285,128.096 ; 165.082,128.655 165.132,128.655 ; 165.082,130.915 165.107,130.915 ; 165.082,131.068 165.158,131.068 ; 165.082,131.169 165.336,131.169 ; 165.082,131.931 165.285,131.931 ; 165.082,131.957 165.285,131.957 ; 165.107,128.121 165.31,128.121 ; 165.107,128.909 165.259,128.909 ; 165.107,129.112 165.209,129.112 ; 165.107,131.144 165.234,131.144 ; 165.107,131.22 165.361,131.22 ; 165.107,131.245 165.158,131.245 ; 165.107,131.906 165.31,131.906 ; 165.132,128.147 165.336,128.147 ; 165.132,128.807 165.209,128.807 ; 165.132,128.934 165.234,128.934 ; 165.132,131.118 165.386,131.118 ; 165.132,131.88 165.336,131.88 ; 165.158,128.172 165.361,128.172 ; 165.158,128.832 165.234,128.832 ; 165.158,129.086 165.285,129.086 ; 165.158,129.239 165.183,129.239 ; 165.158,129.264 165.386,129.264 ; 165.158,131.093 165.386,131.093 ; 165.158,131.271 165.209,131.271 ; 165.158,131.855 165.361,131.855 ; 165.183,128.197 165.361,128.197 ; 165.183,128.223 165.386,128.223 ; 165.183,129.061 165.336,129.061 ; 165.183,129.29 165.336,129.29 ; 165.183,129.315 165.209,129.315 ; 165.183,129.34 165.209,129.34 ; 165.183,129.366 165.234,129.366 ; 165.183,131.017 165.285,131.017 ; 165.183,131.068 165.259,131.068 ; 165.183,131.245 165.285,131.245 ; 165.183,131.296 165.234,131.296 ; 165.183,131.804 165.386,131.804 ; 165.183,131.83 165.361,131.83 ; 165.209,128.248 165.412,128.248 ; 165.209,128.274 165.437,128.274 ; 165.209,128.858 165.234,128.858 ; 165.209,128.883 165.259,128.883 ; 165.209,130.966 165.285,130.966 ; 165.209,130.991 165.285,130.991 ; 165.209,131.779 165.412,131.779 ; 165.234,129.467 165.285,129.467 ; 165.234,129.493 165.361,129.493 ; 165.234,131.271 165.285,131.271 ; 165.234,131.753 165.437,131.753 ; 165.259,128.299 165.437,128.299 ; 165.259,128.324 165.463,128.324 ; 165.259,129.036 165.31,129.036 ; 165.259,129.594 165.336,129.594 ; 165.259,129.62 165.285,129.62 ; 165.259,131.195 165.361,131.195 ; 165.259,131.703 165.463,131.703 ; 165.259,131.728 165.437,131.728 ; 165.285,128.35 165.463,128.35 ; 165.285,128.375 165.488,128.375 ; 165.285,129.518 165.463,129.518 ; 165.285,129.569 165.361,129.569 ; 165.285,131.144 165.336,131.144 ; 165.285,131.677 165.463,131.677 ; 165.31,129.239 165.386,129.239 ; 165.31,131.626 165.488,131.626 ; 165.31,131.652 165.488,131.652 ; 165.336,128.401 165.488,128.401 ; 165.336,128.426 165.513,128.426 ; 165.336,129.544 165.386,129.544 ; 165.336,131.601 165.513,131.601 ; 165.361,128.451 165.539,128.451 ; 165.361,128.477 165.539,128.477 ; 165.361,131.169 165.386,131.169 ; 165.361,131.55 165.539,131.55 ; 165.361,131.576 165.539,131.576 ; 165.386,128.502 165.564,128.502 ; 165.386,128.528 165.564,128.528 ; 165.386,131.499 165.564,131.499 ; 165.386,131.525 165.564,131.525 ; 165.412,128.553 165.59,128.553 ; 165.412,131.474 165.59,131.474 ; 165.437,128.578 165.59,128.578 ; 165.437,128.604 165.59,128.604 ; 165.437,131.423 165.615,131.423 ; 165.437,131.449 165.59,131.449 ; 165.463,128.629 165.64,128.629 ; 165.463,128.655 165.64,128.655 ; 165.463,128.68 165.64,128.68 ; 165.463,131.372 165.64,131.372 ; 165.463,131.398 165.64,131.398 ; 165.488,128.705 165.666,128.705 ; 165.488,128.731 165.666,128.731 ; 165.488,131.296 165.666,131.296 ; 165.488,131.322 165.666,131.322 ; 165.488,131.347 165.64,131.347 ; 165.513,128.756 165.691,128.756 ; 165.513,131.271 165.691,131.271 ; 165.539,128.782 165.691,128.782 ; 165.539,128.807 165.691,128.807 ; 165.539,128.832 165.717,128.832 ; 165.539,131.195 165.717,131.195 ; 165.539,131.22 165.691,131.22 ; 165.539,131.245 165.691,131.245 ; 165.564,128.858 165.717,128.858 ; 165.564,128.883 165.742,128.883 ; 165.564,128.909 165.742,128.909 ; 165.564,131.118 165.742,131.118 ; 165.564,131.144 165.742,131.144 ; 165.564,131.169 165.717,131.169 ; 165.59,128.934 165.767,128.934 ; 165.59,128.959 165.767,128.959 ; 165.59,128.985 165.767,128.985 ; 165.59,131.068 165.767,131.068 ; 165.59,131.093 165.742,131.093 ; 165.615,129.01 165.767,129.01 ; 165.615,131.017 165.767,131.017 ; 165.615,131.042 165.767,131.042 ; 165.64,129.036 165.793,129.036 ; 165.64,129.061 165.793,129.061 ; 165.64,129.086 165.793,129.086 ; 165.64,129.112 165.793,129.112 ; 165.64,130.915 165.793,130.915 ; 165.64,130.941 165.793,130.941 ; 165.64,130.966 165.793,130.966 ; 165.64,130.991 165.793,130.991 ; 165.666,129.137 165.818,129.137 ; 165.666,129.163 165.844,129.163 ; 165.666,129.188 165.844,129.188 ; 165.666,129.213 165.844,129.213 ; 165.666,130.814 165.844,130.814 ; 165.666,130.839 165.844,130.839 ; 165.666,130.864 165.844,130.864 ; 165.666,130.89 165.818,130.89 ; 165.691,129.239 165.844,129.239 ; 165.691,129.264 165.844,129.264 ; 165.691,129.29 165.869,129.29 ; 165.691,129.315 165.869,129.315 ; 165.691,130.712 165.869,130.712 ; 165.691,130.737 165.869,130.737 ; 165.691,130.763 165.844,130.763 ; 165.691,130.788 165.844,130.788 ; 165.717,129.34 165.869,129.34 ; 165.717,129.366 165.869,129.366 ; 165.717,129.391 165.869,129.391 ; 165.717,130.636 165.869,130.636 ; 165.717,130.661 165.869,130.661 ; 165.717,130.687 165.869,130.687 ; 165.742,129.417 165.894,129.417 ; 165.742,129.442 165.894,129.442 ; 165.742,129.467 165.894,129.467 ; 165.742,129.493 165.894,129.493 ; 165.742,129.518 165.894,129.518 ; 165.742,129.544 165.894,129.544 ; 165.742,130.483 165.894,130.483 ; 165.742,130.509 165.894,130.509 ; 165.742,130.534 165.894,130.534 ; 165.742,130.56 165.894,130.56 ; 165.742,130.585 165.894,130.585 ; 165.742,130.61 165.894,130.61 ; 165.767,129.569 165.894,129.569 ; 165.767,129.594 165.92,129.594 ; 165.767,129.62 165.92,129.62 ; 165.767,129.645 165.92,129.645 ; 165.767,129.671 165.92,129.671 ; 165.767,129.696 165.92,129.696 ; 165.767,129.721 165.945,129.721 ; 165.767,129.747 165.945,129.747 ; 165.767,129.772 165.945,129.772 ; 165.767,129.798 165.945,129.798 ; 165.767,129.823 165.945,129.823 ; 165.767,130.204 165.945,130.204 ; 165.767,130.229 165.945,130.229 ; 165.767,130.255 165.945,130.255 ; 165.767,130.28 165.945,130.28 ; 165.767,130.306 165.945,130.306 ; 165.767,130.331 165.945,130.331 ; 165.767,130.356 165.92,130.356 ; 165.767,130.382 165.92,130.382 ; 165.767,130.407 165.92,130.407 ; 165.767,130.433 165.92,130.433 ; 165.767,130.458 165.894,130.458 ; 165.793,129.848 165.945,129.848 ; 165.793,129.874 165.945,129.874 ; 165.793,129.899 165.945,129.899 ; 165.793,129.925 165.945,129.925 ; 165.793,129.95 165.945,129.95 ; 165.793,129.975 165.945,129.975 ; 165.793,130.001 165.945,130.001 ; 165.793,130.026 165.945,130.026 ; 165.793,130.052 165.945,130.052 ; 165.793,130.077 165.945,130.077 ; 165.793,130.102 165.945,130.102 ; 165.793,130.128 165.945,130.128 ; 165.793,130.153 165.945,130.153 ; 165.793,130.179 165.945,130.179
  Top Layer w0.508: 36.798,70.016 39.276,70.016 ; 37.549,72.937 37.549,79.897 v1(37.956,80.303) 40.013,82.361 v1(40.013,94.959) 46.642,94.959 46.744,95.061 ; 40.089,72.937 45.626,78.474 47.658,78.474 53.215,84.031 53.215,84.565 ; 41.437,59.358 41.859,58.936 46.695,58.936 ; 41.562,70.016 47.328,70.016 50.249,72.937 51.011,72.937 55.755,77.681 55.755,79.485 ; 42.401,79.694 42.528,79.694 46.109,83.275 47.887,83.275 50.935,86.323 50.935,87.365 53.215,89.645 ; 42.401,85.053 47.125,85.053 49.411,87.339 49.411,88.381 53.215,92.185 ; 42.401,90.92 47.862,90.92 51.443,94.502 51.443,95.493 53.215,97.265 ; 42.629,72.937 46.312,76.62 47.811,76.62 53.215,82.025 ; 43.119,44.872 65.598,44.872 75.57,44.872 v1(83.233,37.209) ; 45.169,72.937 47.735,75.503 49.233,75.503 53.215,79.485 ; v1(46.657,56.767) v1@46.68,56.767 ; 47.084,98.029 47.084,100.674 ; 47.709,72.937 47.709,73.191 49.081,74.563 50.402,74.563 54.466,78.627 54.466,80.735 55.755,82.025 ; 47.887,88.609 47.887,89.117 53.215,94.445 53.215,94.725 ; 48.019,108.675 48.979,108.675 52.659,112.355 53.215,112.355 ; 48.019,111.215 49.284,111.215 51.697,113.628 54.338,113.628 55.755,115.045 ; 48.019,113.755 50.3,113.755 51.672,115.127 53.297,115.127 55.755,117.585 ; 48.019,116.295 51.925,116.295 53.215,117.585 ; v1(49.07,58.926) v1@49.083,58.939 ; 49.088,95.118 49.088,97.036 ; 49.233,99.086 49.233,103.646 ; 49.233,105.932 50.726,107.425 53.215,107.425 ; 51.512,57.84 54.228,57.84 v1(55.42,56.648) ; v1@51.58,55.34 v1(51.61,55.37) ; 57.968,59.721 59.459,61.212 78.956,61.212 80.447,59.721 ; 62.202,59.358 62.623,58.936 67.402,58.936 ; 64.222,107.881 64.273,107.83 ; v1@69.752,58.945 v1(69.771,58.926) ; 71.001,107.523 71.309,107.83 ; v1(72.311,55.116) v1@72.322,55.116 ; 72.352,57.586 75.052,57.586 v1@76.252,56.386 ; 73.541,124.423 73.541,123.153 78.615,118.079 78.615,117.585 ; 76.081,124.423 76.081,122.899 79.891,119.089 79.891,116.321 78.615,115.045 ; v1(76.248,56.259) v1@76.248,56.382 ; 78.621,124.423 78.621,122.899 81.155,120.365 81.155,117.585 ; 81.155,115.045 82.431,116.321 82.431,121.883 81.161,123.153 81.161,124.423 ; 82.966,59.358 83.388,58.936 88.064,58.936 ; 83.695,115.045 86.241,117.591 86.241,124.423 ; 83.695,117.585 83.701,117.591 83.701,124.423 ; v1(88.059,56.767) v1@88.064,56.762 ; 88.781,124.423 88.781,123.153 93.855,118.079 93.855,117.585 ; 89.71,35.812 80.447,45.075 80.447,59.721 ; v1(90.472,58.926) v1@90.489,58.926 ; v1(93.266,54.608) v1@93.266,54.668 ; 93.303,57.205 96.003,57.205 v1@97.203,56.005 ; 96.395,104.885 97.685,103.595 102.243,103.595 102.624,103.976 ; v1(97.211,55.886) v1@97.211,55.997 ; 97.542,35.812 100.339,35.812 100.457,35.694 ; 98.935,102.345 99.844,101.436 102.624,101.436 ; 98.935,104.885 99.22,105.17 106.43,105.17 107.624,103.976 ; 98.935,107.425 98.989,107.479 98.989,124.143 ; 103.538,110.994 104.369,111.825 106.434,111.825 ; 103.731,59.358 104.152,58.936 109.103,58.936 ; 108.633,35.812 109.776,36.955 109.776,39.368 115.28,44.872 136.182,44.872 156.926,44.872 156.952,44.897 ; v1(109.014,56.767) v1@109.088,56.767 ; 109.823,72.607 109.918,72.512 ; 111.031,120.613 113.383,120.613 ; v1(114.221,55.116) v1@114.25,55.087 ; 114.25,57.586 116.95,57.586 118.15,56.386 v1(118.158,56.386) ; 115.324,89.777 117.839,89.777 118.942,90.881 118.942,92.546 ; 124.495,59.358 124.8,59.053 129.791,59.053 ; v1(129.715,56.894) v1@129.74,56.869 ; v1(132.299,58.949) v1@132.354,58.949 ; 134.323,85.286 134.323,88.269 134.362,88.309 ; v1(134.771,54.885) v1@134.824,54.832 ; 134.824,57.332 137.524,57.332 138.724,56.132 v1(138.732,56.14) ; 135.364,100.094 135.808,100.538 140.031,100.538 ; 135.364,102.634 136.19,101.808 140.031,101.808 ; 136.162,88.309 139.174,91.32 139.174,92.525 138.539,93.16 138.539,94.989 139.008,95.458 140.031,95.458 ; 136.202,75.685 136.913,74.974 v1(140.774,74.974) 141.587,74.974 ; 136.202,82.797 142.095,82.797 142.857,82.035 v1(142.857,80.511) ; 136.609,85.286 139.987,85.286 v1(140.19,85.083) 140.317,85.21 140.317,88.436 140.317,91.077 141.765,92.525 141.765,95.877 140.913,96.728 143.453,99.268 ; 136.761,117.341 136.911,117.191 ; 136.888,92.525 136.888,97.529 138.627,99.268 140.031,99.268 ; 138.507,94.957 138.507,97.497 139.008,97.998 140.031,97.998 ; 140.031,103.078 141.929,103.078 ; v1(141.587,104.387) 141.548,104.348 140.031,104.348 140.031,106.514 140.723,107.206 141.689,107.206 ; 142.102,59.747 140.891,60.958 122.57,60.958 121.333,59.721 119.969,61.085 81.811,61.085 80.447,59.721 ; 142.832,72.383 144.127,73.678 144.127,74.974 ; 142.857,74.974 142.857,75.964 143.517,76.625 144.61,76.625 145.397,75.837 145.397,74.974 145.397,72.662 145.118,72.383 148.214,72.383 v1(148.953,73.122) 151.47,73.122 152.941,74.593 152.941,77.336 ; v1(143.746,88.436) 142.4,87.09 142.4,85.083 142.99,85.673 145.375,85.673 148.075,85.673 v1(149.275,84.473) ; v1(144.127,102.99) 144.215,103.078 145.667,103.078 146.882,103.078 149.969,106.165 149.969,110.864 154.795,115.69 158.072,115.69 ; v1(144.166,95.458) 145.667,95.458 145.575,95.366 145.575,92.525 ; v1(144.178,97.961) 144.254,98.037 144.293,97.998 145.667,97.998 147.214,97.998 149.461,95.751 149.461,91.179 153.017,87.623 v2(161.018,87.623) ; 145.26,59.358 145.565,59.053 150.772,59.053 ; 145.375,83.173 145.397,83.152 v1(145.397,80.511) ; 145.499,107.206 145.499,106.648 141.929,103.078 ; 145.667,96.728 146.833,96.728 147.937,95.624 147.937,89.833 152.763,85.007 152.763,83.4 151.829,82.467 ; 145.667,99.268 143.453,99.268 ; 145.667,100.538 147.315,100.538 152.585,95.268 152.585,93.713 151.779,92.906 ; 145.667,101.808 147.213,101.808 153.093,107.689 153.093,109.27 152.134,110.229 ; 145.667,104.348 146.882,104.348 148.572,106.038 148.572,113.861 152.788,118.078 152.788,119.405 151.829,120.364 ; v1@150.772,56.869 v1(150.797,56.894) ; v1(153.286,58.977) v1@153.337,58.977 ; 155.729,92.906 154.871,93.764 154.871,95.268 160.828,95.268 160.834,95.262 ; 155.779,82.467 155.049,83.197 155.049,85.007 160.79,85.007 160.834,85.052 ; 155.779,120.364 155.074,119.659 155.074,118.078 160.727,118.078 160.834,117.97 ; 156.084,110.229 155.379,109.524 155.379,107.689 155.487,107.581 160.834,107.581 ; v1(156.108,54.885) v1@156.16,54.833 ; 156.16,57.332 158.86,57.332 160.06,56.132 v1(160.06,56.013) ; 159.209,103.021 160.834,103.021 ; 167.384,105.301 168.014,104.672 ; 141.929,103.078 143.453,101.554 143.453,99.268
  Top Layer w0.762: 85.2,102.253 87.684,102.253 89.922,100.015 93.048,100.015 95.028,100.015 96.395,98.648 96.395,97.265 ; 95.256,35.812 91.996,35.812 91.996,36.828 89.456,39.368 89.456,43.432 v1(97.076,51.052) ; 101.529,124.143 105.059,120.613 108.745,120.613 108.745,115.482 108.872,115.355 108.589,115.072 v1(108.589,110.143) 111.357,107.375 111.357,106.487 111.357,103.887 112.657,102.587 ; v1(105.164,98.515) v1@105.164,98.566 ; v1@105.215,98.566 106.434,97.347 106.434,95.899 106.434,93.617 105.342,92.525 ; 106.434,109.539 107.624,108.349 107.624,106.545 v1(107.577,106.592) ; v1(144.127,80.562) 144.127,78.987 144.889,78.225 147.656,78.225 148.953,79.522 ; 149.053,79.622 152.941,79.622 153.652,79.622 155.43,77.844 165.463,77.844 167.384,79.765 167.384,82.772